# Altium PCB PCB22.PcbDoc (part 11 of 16)
Units mm, origin at the board's own origin, x right, y up, seen from the top; angles counter-clockwise.
Board outline 233.7 x 110.51 mm, 4 copper layers (Top Layer, Layer 1, Layer 2, Bottom Layer), stack 0.603 mm thick; 1249 components, 1355 nets, 4549 pads, 1315 vias.
Unrouted connection lines stored in the file: 1569.
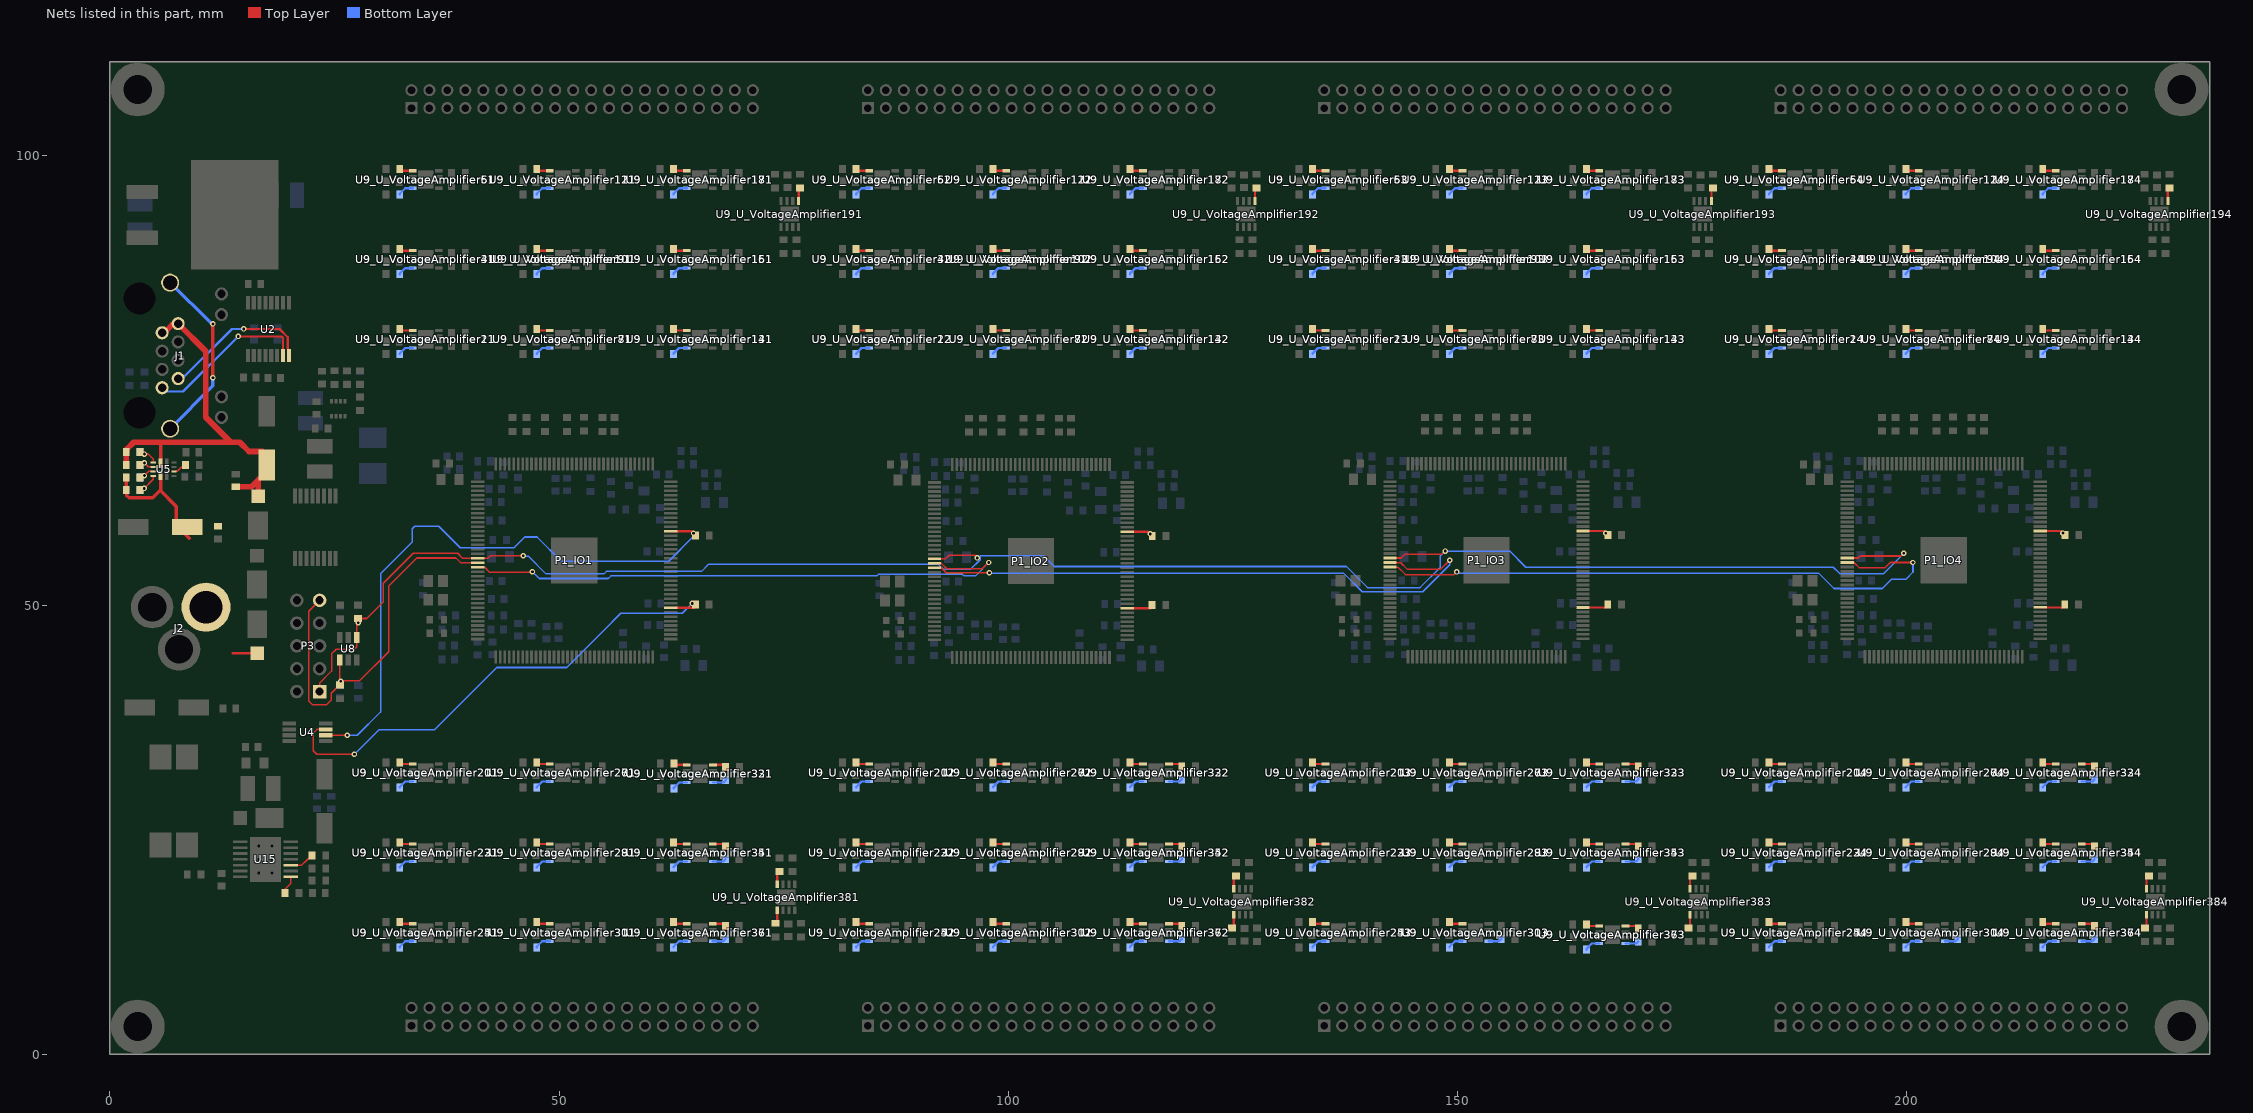
[diagram p13: the nets of this part, all layers, seen from the top]

## Via types
v1: diameter 0.61, hole 0.305, Top Layer to Bottom Layer, 1315 vias

## Nets (pads, with @x,y where several pads share a name; then routed paths per layer and width w, separated by ;. In a path a pad name is that pad's centre, name@x,y a point inside that pad or via, vN(x,y) a via of type N, cw(c..) or ccw(c..) an arc to the next point about the centre after c; other vN are vias at no path point) (continued)
NetR28_U_VoltageAmplifier313_2: R28_U_VoltageAmplifier313.2 U9_U_VoltageAmplifier313.4 | length 1.5
  Bottom Layer w0.254: U9_U_VoltageAmplifier313.4@153.448,12.588 154.622,12.588 R28_U_VoltageAmplifier313.2@154.866,12.832
NetR28_U_VoltageAmplifier314_2: R28_U_VoltageAmplifier314.2 U9_U_VoltageAmplifier314.4 | length 1.5
  Bottom Layer w0.254: U9_U_VoltageAmplifier314.4@204.248,12.588 205.422,12.588 R28_U_VoltageAmplifier314.2@205.666,12.832
NetR28_U_VoltageAmplifier321_2: R28_U_VoltageAmplifier321.2 U9_U_VoltageAmplifier321.4 | length 1.5
  Top Layer w0.254: U9_U_VoltageAmplifier321.4@67.118,32.227 68.282,32.227 68.536,31.973 R28_U_VoltageAmplifier321.2@68.536,31.968
NetR28_U_VoltageAmplifier322_2: R28_U_VoltageAmplifier322.2 U9_U_VoltageAmplifier322.4 | length 1.5
  Top Layer w0.254: U9_U_VoltageAmplifier322.4@117.888,32.318 119.052,32.318 119.306,32.064 R28_U_VoltageAmplifier322.2@119.306,32.059
NetR28_U_VoltageAmplifier323_2: R28_U_VoltageAmplifier323.2 U9_U_VoltageAmplifier323.4 | length 1.5
  Top Layer w0.254: U9_U_VoltageAmplifier323.4@168.688,32.318 169.852,32.318 170.106,32.064 R28_U_VoltageAmplifier323.2@170.106,32.059
NetR28_U_VoltageAmplifier324_2: R28_U_VoltageAmplifier324.2 U9_U_VoltageAmplifier324.4 | length 1.5
  Top Layer w0.254: U9_U_VoltageAmplifier324.4@219.488,32.318 220.652,32.318 220.906,32.064 R28_U_VoltageAmplifier324.2@220.906,32.059
NetR28_U_VoltageAmplifier331_2: R28_U_VoltageAmplifier331.2 U9_U_VoltageAmplifier331.4 | length 1.5
  Bottom Layer w0.254: U9_U_VoltageAmplifier331.4@67.118,30.277 68.292,30.277 R28_U_VoltageAmplifier331.2@68.536,30.52
NetR28_U_VoltageAmplifier332_2: R28_U_VoltageAmplifier332.2 U9_U_VoltageAmplifier332.4 | length 1.5
  Bottom Layer w0.254: U9_U_VoltageAmplifier332.4@117.888,30.368 119.062,30.368 R28_U_VoltageAmplifier332.2@119.306,30.612
NetR28_U_VoltageAmplifier333_2: R28_U_VoltageAmplifier333.2 U9_U_VoltageAmplifier333.4 | length 1.5
  Bottom Layer w0.254: U9_U_VoltageAmplifier333.4@168.688,30.368 169.862,30.368 R28_U_VoltageAmplifier333.2@170.106,30.612
NetR28_U_VoltageAmplifier334_2: R28_U_VoltageAmplifier334.2 U9_U_VoltageAmplifier334.4 | length 1.5
  Bottom Layer w0.254: U9_U_VoltageAmplifier334.4@219.488,30.368 220.662,30.368 R28_U_VoltageAmplifier334.2@220.906,30.612
NetR28_U_VoltageAmplifier341_2: R28_U_VoltageAmplifier341.2 U9_U_VoltageAmplifier341.4 | length 1.5
  Top Layer w0.254: U9_U_VoltageAmplifier341.4@67.088,23.428 68.252,23.428 68.506,23.174 R28_U_VoltageAmplifier341.2@68.506,23.169
NetR28_U_VoltageAmplifier342_2: R28_U_VoltageAmplifier342.2 U9_U_VoltageAmplifier342.4 | length 1.5
  Top Layer w0.254: U9_U_VoltageAmplifier342.4@117.888,23.428 119.052,23.428 119.306,23.174 R28_U_VoltageAmplifier342.2@119.306,23.169
NetR28_U_VoltageAmplifier343_2: R28_U_VoltageAmplifier343.2 U9_U_VoltageAmplifier343.4 | length 1.5
  Top Layer w0.254: U9_U_VoltageAmplifier343.4@168.688,23.428 169.852,23.428 170.106,23.174 R28_U_VoltageAmplifier343.2@170.106,23.169
NetR28_U_VoltageAmplifier344_2: R28_U_VoltageAmplifier344.2 U9_U_VoltageAmplifier344.4 | length 1.5
  Top Layer w0.254: U9_U_VoltageAmplifier344.4@219.488,23.428 220.652,23.428 220.906,23.174 R28_U_VoltageAmplifier344.2@220.906,23.169
NetR28_U_VoltageAmplifier351_2: R28_U_VoltageAmplifier351.2 U9_U_VoltageAmplifier351.4 | length 1.5
  Bottom Layer w0.254: U9_U_VoltageAmplifier351.4@67.088,21.478 68.262,21.478 R28_U_VoltageAmplifier351.2@68.506,21.722
NetR28_U_VoltageAmplifier352_2: R28_U_VoltageAmplifier352.2 U9_U_VoltageAmplifier352.4 | length 1.5
  Bottom Layer w0.254: U9_U_VoltageAmplifier352.4@117.888,21.478 119.062,21.478 R28_U_VoltageAmplifier352.2@119.306,21.722
NetR28_U_VoltageAmplifier353_2: R28_U_VoltageAmplifier353.2 U9_U_VoltageAmplifier353.4 | length 1.5
  Bottom Layer w0.254: U9_U_VoltageAmplifier353.4@168.688,21.478 169.862,21.478 R28_U_VoltageAmplifier353.2@170.106,21.722
NetR28_U_VoltageAmplifier354_2: R28_U_VoltageAmplifier354.2 U9_U_VoltageAmplifier354.4 | length 1.5
  Bottom Layer w0.254: U9_U_VoltageAmplifier354.4@219.488,21.478 220.662,21.478 R28_U_VoltageAmplifier354.2@220.906,21.722
NetR28_U_VoltageAmplifier361_2: R28_U_VoltageAmplifier361.2 U9_U_VoltageAmplifier361.4 | length 1.5
  Top Layer w0.254: U9_U_VoltageAmplifier361.4@67.088,14.538 68.252,14.538 68.506,14.284 R28_U_VoltageAmplifier361.2@68.506,14.279
NetR28_U_VoltageAmplifier362_2: R28_U_VoltageAmplifier362.2 U9_U_VoltageAmplifier362.4 | length 1.5
  Top Layer w0.254: U9_U_VoltageAmplifier362.4@117.888,14.538 119.052,14.538 119.306,14.284 R28_U_VoltageAmplifier362.2@119.306,14.279
NetR28_U_VoltageAmplifier363_2: R28_U_VoltageAmplifier363.2 U9_U_VoltageAmplifier363.4 | length 1.5
  Top Layer w0.254: U9_U_VoltageAmplifier363.4@168.688,14.284 169.852,14.284 170.106,14.03 R28_U_VoltageAmplifier363.2@170.106,14.025
NetR28_U_VoltageAmplifier364_2: R28_U_VoltageAmplifier364.2 U9_U_VoltageAmplifier364.4 | length 1.5
  Top Layer w0.254: U9_U_VoltageAmplifier364.4@219.488,14.538 220.652,14.538 220.906,14.284 R28_U_VoltageAmplifier364.2@220.906,14.279
NetR28_U_VoltageAmplifier371_2: R28_U_VoltageAmplifier371.2 U9_U_VoltageAmplifier371.4 | length 1.5
  Bottom Layer w0.254: U9_U_VoltageAmplifier371.4@67.088,12.588 68.262,12.588 R28_U_VoltageAmplifier371.2@68.506,12.832
NetR28_U_VoltageAmplifier372_2: R28_U_VoltageAmplifier372.2 U9_U_VoltageAmplifier372.4 | length 1.5
  Bottom Layer w0.254: U9_U_VoltageAmplifier372.4@117.888,12.588 119.062,12.588 R28_U_VoltageAmplifier372.2@119.306,12.832
NetR28_U_VoltageAmplifier373_2: R28_U_VoltageAmplifier373.2 U9_U_VoltageAmplifier373.4 | length 1.5
  Bottom Layer w0.254: U9_U_VoltageAmplifier373.4@168.688,12.334 169.862,12.334 R28_U_VoltageAmplifier373.2@170.106,12.578
NetR28_U_VoltageAmplifier374_2: R28_U_VoltageAmplifier374.2 U9_U_VoltageAmplifier374.4 | length 1.5
  Bottom Layer w0.254: U9_U_VoltageAmplifier374.4@219.488,12.588 220.662,12.588 R28_U_VoltageAmplifier374.2@220.906,12.832
NetR28_U_VoltageAmplifier381_2: R28_U_VoltageAmplifier381.2 U9_U_VoltageAmplifier381.4 | length 1.5
  Top Layer w0.254: U9_U_VoltageAmplifier381.4@74.282,18.938 74.282,20.102 74.536,20.356 R28_U_VoltageAmplifier381.2@74.541,20.356
NetR28_U_VoltageAmplifier382_2: R28_U_VoltageAmplifier382.2 U9_U_VoltageAmplifier382.4 | length 1.5
  Top Layer w0.254: U9_U_VoltageAmplifier382.4@125.082,18.43 125.082,19.594 125.336,19.848 R28_U_VoltageAmplifier382.2@125.341,19.848
NetR28_U_VoltageAmplifier383_2: R28_U_VoltageAmplifier383.2 U9_U_VoltageAmplifier383.4 | length 1.5
  Top Layer w0.254: U9_U_VoltageAmplifier383.4@175.882,18.43 175.882,19.594 176.136,19.848 R28_U_VoltageAmplifier383.2@176.141,19.848
NetR28_U_VoltageAmplifier384_2: R28_U_VoltageAmplifier384.2 U9_U_VoltageAmplifier384.4 | length 1.5
  Top Layer w0.254: U9_U_VoltageAmplifier384.4@226.682,18.43 226.682,19.594 226.936,19.848 R28_U_VoltageAmplifier384.2@226.941,19.848
NetR29_U_VoltageAmplifier11_1: R29_U_VoltageAmplifier11.1 U9_U_VoltageAmplifier11.5 | length 1.5
  Top Layer w0.254: R29_U_VoltageAmplifier11.1@32.26,80.751 32.433,80.578 U9_U_VoltageAmplifier11.5@33.708,80.578
NetR29_U_VoltageAmplifier12_1: R29_U_VoltageAmplifier12.1 U9_U_VoltageAmplifier12.5 | length 1.5
  Top Layer w0.254: R29_U_VoltageAmplifier12.1@83.06,80.751 83.233,80.578 U9_U_VoltageAmplifier12.5@84.508,80.578
NetR29_U_VoltageAmplifier13_1: R29_U_VoltageAmplifier13.1 U9_U_VoltageAmplifier13.5 | length 1.5
  Top Layer w0.254: R29_U_VoltageAmplifier13.1@133.86,80.751 134.033,80.578 U9_U_VoltageAmplifier13.5@135.308,80.578
NetR29_U_VoltageAmplifier14_1: R29_U_VoltageAmplifier14.1 U9_U_VoltageAmplifier14.5 | length 1.5
  Top Layer w0.254: R29_U_VoltageAmplifier14.1@184.66,80.751 184.833,80.578 U9_U_VoltageAmplifier14.5@186.108,80.578
NetR29_U_VoltageAmplifier21_1: R29_U_VoltageAmplifier21.1 U9_U_VoltageAmplifier21.5 | length 1.8
  Bottom Layer w0.254: R29_U_VoltageAmplifier21.1@32.26,77.957 32.26,78.021 32.868,78.628 U9_U_VoltageAmplifier21.5@33.708,78.628
NetR29_U_VoltageAmplifier22_1: R29_U_VoltageAmplifier22.1 U9_U_VoltageAmplifier22.5 | length 1.8
  Bottom Layer w0.254: R29_U_VoltageAmplifier22.1@83.06,77.957 83.06,78.021 83.668,78.628 U9_U_VoltageAmplifier22.5@84.508,78.628
NetR29_U_VoltageAmplifier23_1: R29_U_VoltageAmplifier23.1 U9_U_VoltageAmplifier23.5 | length 1.8
  Bottom Layer w0.254: R29_U_VoltageAmplifier23.1@133.86,77.957 133.86,78.021 134.468,78.628 U9_U_VoltageAmplifier23.5@135.308,78.628
NetR29_U_VoltageAmplifier24_1: R29_U_VoltageAmplifier24.1 U9_U_VoltageAmplifier24.5 | length 1.8
  Bottom Layer w0.254: R29_U_VoltageAmplifier24.1@184.66,77.957 184.66,78.021 185.268,78.628 U9_U_VoltageAmplifier24.5@186.108,78.628
NetR29_U_VoltageAmplifier31_1: R29_U_VoltageAmplifier31.1 U9_U_VoltageAmplifier31.5 | length 1.5
  Top Layer w0.254: R29_U_VoltageAmplifier31.1@32.26,89.641 32.433,89.468 U9_U_VoltageAmplifier31.5@33.708,89.468
NetR29_U_VoltageAmplifier32_1: R29_U_VoltageAmplifier32.1 U9_U_VoltageAmplifier32.5 | length 1.5
  Top Layer w0.254: R29_U_VoltageAmplifier32.1@83.06,89.641 83.233,89.468 U9_U_VoltageAmplifier32.5@84.508,89.468
NetR29_U_VoltageAmplifier33_1: R29_U_VoltageAmplifier33.1 U9_U_VoltageAmplifier33.5 | length 1.5
  Top Layer w0.254: R29_U_VoltageAmplifier33.1@133.86,89.641 134.033,89.468 U9_U_VoltageAmplifier33.5@135.308,89.468
NetR29_U_VoltageAmplifier34_1: R29_U_VoltageAmplifier34.1 U9_U_VoltageAmplifier34.5 | length 1.5
  Top Layer w0.254: R29_U_VoltageAmplifier34.1@184.66,89.641 184.833,89.468 U9_U_VoltageAmplifier34.5@186.108,89.468
NetR29_U_VoltageAmplifier41_1: R29_U_VoltageAmplifier41.1 U9_U_VoltageAmplifier41.5 | length 1.8
  Bottom Layer w0.254: R29_U_VoltageAmplifier41.1@32.26,86.847 32.26,86.911 32.868,87.518 U9_U_VoltageAmplifier41.5@33.708,87.518
NetR29_U_VoltageAmplifier42_1: R29_U_VoltageAmplifier42.1 U9_U_VoltageAmplifier42.5 | length 1.8
  Bottom Layer w0.254: R29_U_VoltageAmplifier42.1@83.06,86.847 83.06,86.911 83.668,87.518 U9_U_VoltageAmplifier42.5@84.508,87.518
NetR29_U_VoltageAmplifier43_1: R29_U_VoltageAmplifier43.1 U9_U_VoltageAmplifier43.5 | length 1.8
  Bottom Layer w0.254: R29_U_VoltageAmplifier43.1@133.86,86.847 133.86,86.911 134.468,87.518 U9_U_VoltageAmplifier43.5@135.308,87.518
NetR29_U_VoltageAmplifier44_1: R29_U_VoltageAmplifier44.1 U9_U_VoltageAmplifier44.5 | length 1.8
  Bottom Layer w0.254: R29_U_VoltageAmplifier44.1@184.66,86.847 184.66,86.911 185.268,87.518 U9_U_VoltageAmplifier44.5@186.108,87.518
NetR29_U_VoltageAmplifier51_1: R29_U_VoltageAmplifier51.1 U9_U_VoltageAmplifier51.5 | length 1.5
  Top Layer w0.254: R29_U_VoltageAmplifier51.1@32.26,98.531 32.433,98.358 U9_U_VoltageAmplifier51.5@33.708,98.358
NetR29_U_VoltageAmplifier52_1: R29_U_VoltageAmplifier52.1 U9_U_VoltageAmplifier52.5 | length 1.5
  Top Layer w0.254: R29_U_VoltageAmplifier52.1@83.06,98.531 83.233,98.358 U9_U_VoltageAmplifier52.5@84.508,98.358
NetR29_U_VoltageAmplifier53_1: R29_U_VoltageAmplifier53.1 U9_U_VoltageAmplifier53.5 | length 1.5
  Top Layer w0.254: R29_U_VoltageAmplifier53.1@133.86,98.531 134.033,98.358 U9_U_VoltageAmplifier53.5@135.308,98.358
NetR29_U_VoltageAmplifier54_1: R29_U_VoltageAmplifier54.1 U9_U_VoltageAmplifier54.5 | length 1.5
  Top Layer w0.254: R29_U_VoltageAmplifier54.1@184.66,98.531 184.833,98.358 U9_U_VoltageAmplifier54.5@186.108,98.358
NetR29_U_VoltageAmplifier61_1: R29_U_VoltageAmplifier61.1 U9_U_VoltageAmplifier61.5 | length 1.8
  Bottom Layer w0.254: R29_U_VoltageAmplifier61.1@32.26,95.737 32.26,95.801 32.868,96.408 U9_U_VoltageAmplifier61.5@33.708,96.408
NetR29_U_VoltageAmplifier62_1: R29_U_VoltageAmplifier62.1 U9_U_VoltageAmplifier62.5 | length 1.8
  Bottom Layer w0.254: R29_U_VoltageAmplifier62.1@83.06,95.737 83.06,95.801 83.668,96.408 U9_U_VoltageAmplifier62.5@84.508,96.408
NetR29_U_VoltageAmplifier63_1: R29_U_VoltageAmplifier63.1 U9_U_VoltageAmplifier63.5 | length 1.8
  Bottom Layer w0.254: R29_U_VoltageAmplifier63.1@133.86,95.737 133.86,95.801 134.468,96.408 U9_U_VoltageAmplifier63.5@135.308,96.408
NetR29_U_VoltageAmplifier64_1: R29_U_VoltageAmplifier64.1 U9_U_VoltageAmplifier64.5 | length 1.8
  Bottom Layer w0.254: R29_U_VoltageAmplifier64.1@184.66,95.737 184.66,95.801 185.268,96.408 U9_U_VoltageAmplifier64.5@186.108,96.408
NetR29_U_VoltageAmplifier71_1: R29_U_VoltageAmplifier71.1 U9_U_VoltageAmplifier71.5 | length 1.5
  Top Layer w0.254: R29_U_VoltageAmplifier71.1@47.5,80.751 47.673,80.578 U9_U_VoltageAmplifier71.5@48.948,80.578
NetR29_U_VoltageAmplifier72_1: R29_U_VoltageAmplifier72.1 U9_U_VoltageAmplifier72.5 | length 1.5
  Top Layer w0.254: R29_U_VoltageAmplifier72.1@98.3,80.751 98.473,80.578 U9_U_VoltageAmplifier72.5@99.748,80.578
NetR29_U_VoltageAmplifier73_1: R29_U_VoltageAmplifier73.1 U9_U_VoltageAmplifier73.5 | length 1.5
  Top Layer w0.254: R29_U_VoltageAmplifier73.1@149.1,80.751 149.273,80.578 U9_U_VoltageAmplifier73.5@150.548,80.578
NetR29_U_VoltageAmplifier74_1: R29_U_VoltageAmplifier74.1 U9_U_VoltageAmplifier74.5 | length 1.5
  Top Layer w0.254: R29_U_VoltageAmplifier74.1@199.9,80.751 200.073,80.578 U9_U_VoltageAmplifier74.5@201.348,80.578
NetR29_U_VoltageAmplifier81_1: R29_U_VoltageAmplifier81.1 U9_U_VoltageAmplifier81.5 | length 1.8
  Bottom Layer w0.254: R29_U_VoltageAmplifier81.1@47.5,77.957 47.5,78.021 48.108,78.628 U9_U_VoltageAmplifier81.5@48.948,78.628
NetR29_U_VoltageAmplifier82_1: R29_U_VoltageAmplifier82.1 U9_U_VoltageAmplifier82.5 | length 1.8
  Bottom Layer w0.254: R29_U_VoltageAmplifier82.1@98.3,77.957 98.3,78.021 98.908,78.628 U9_U_VoltageAmplifier82.5@99.748,78.628
NetR29_U_VoltageAmplifier83_1: R29_U_VoltageAmplifier83.1 U9_U_VoltageAmplifier83.5 | length 1.8
  Bottom Layer w0.254: R29_U_VoltageAmplifier83.1@149.1,77.957 149.1,78.021 149.708,78.628 U9_U_VoltageAmplifier83.5@150.548,78.628
NetR29_U_VoltageAmplifier84_1: R29_U_VoltageAmplifier84.1 U9_U_VoltageAmplifier84.5 | length 1.8
  Bottom Layer w0.254: R29_U_VoltageAmplifier84.1@199.9,77.957 199.9,78.021 200.508,78.628 U9_U_VoltageAmplifier84.5@201.348,78.628
NetR29_U_VoltageAmplifier91_1: R29_U_VoltageAmplifier91.1 U9_U_VoltageAmplifier91.5 | length 1.5
  Top Layer w0.254: R29_U_VoltageAmplifier91.1@47.5,89.641 47.673,89.468 U9_U_VoltageAmplifier91.5@48.948,89.468
NetR29_U_VoltageAmplifier92_1: R29_U_VoltageAmplifier92.1 U9_U_VoltageAmplifier92.5 | length 1.5
  Top Layer w0.254: R29_U_VoltageAmplifier92.1@98.3,89.641 98.473,89.468 U9_U_VoltageAmplifier92.5@99.748,89.468
NetR29_U_VoltageAmplifier93_1: R29_U_VoltageAmplifier93.1 U9_U_VoltageAmplifier93.5 | length 1.5
  Top Layer w0.254: R29_U_VoltageAmplifier93.1@149.1,89.641 149.273,89.468 U9_U_VoltageAmplifier93.5@150.548,89.468
NetR29_U_VoltageAmplifier94_1: R29_U_VoltageAmplifier94.1 U9_U_VoltageAmplifier94.5 | length 1.5
  Top Layer w0.254: R29_U_VoltageAmplifier94.1@199.9,89.641 200.073,89.468 U9_U_VoltageAmplifier94.5@201.348,89.468
NetR29_U_VoltageAmplifier101_1: R29_U_VoltageAmplifier101.1 U9_U_VoltageAmplifier101.5 | length 1.8
  Bottom Layer w0.254: R29_U_VoltageAmplifier101.1@47.5,86.847 47.5,86.911 48.108,87.518 U9_U_VoltageAmplifier101.5@48.948,87.518
NetR29_U_VoltageAmplifier102_1: R29_U_VoltageAmplifier102.1 U9_U_VoltageAmplifier102.5 | length 1.8
  Bottom Layer w0.254: R29_U_VoltageAmplifier102.1@98.3,86.847 98.3,86.911 98.908,87.518 U9_U_VoltageAmplifier102.5@99.748,87.518
NetR29_U_VoltageAmplifier103_1: R29_U_VoltageAmplifier103.1 U9_U_VoltageAmplifier103.5 | length 1.8
  Bottom Layer w0.254: R29_U_VoltageAmplifier103.1@149.1,86.847 149.1,86.911 149.708,87.518 U9_U_VoltageAmplifier103.5@150.548,87.518
NetR29_U_VoltageAmplifier104_1: R29_U_VoltageAmplifier104.1 U9_U_VoltageAmplifier104.5 | length 1.8
  Bottom Layer w0.254: R29_U_VoltageAmplifier104.1@199.9,86.847 199.9,86.911 200.508,87.518 U9_U_VoltageAmplifier104.5@201.348,87.518
NetR29_U_VoltageAmplifier111_1: R29_U_VoltageAmplifier111.1 U9_U_VoltageAmplifier111.5 | length 1.5
  Top Layer w0.254: R29_U_VoltageAmplifier111.1@47.5,98.531 47.673,98.358 U9_U_VoltageAmplifier111.5@48.948,98.358
NetR29_U_VoltageAmplifier112_1: R29_U_VoltageAmplifier112.1 U9_U_VoltageAmplifier112.5 | length 1.5
  Top Layer w0.254: R29_U_VoltageAmplifier112.1@98.3,98.531 98.473,98.358 U9_U_VoltageAmplifier112.5@99.748,98.358
NetR29_U_VoltageAmplifier113_1: R29_U_VoltageAmplifier113.1 U9_U_VoltageAmplifier113.5 | length 1.5
  Top Layer w0.254: R29_U_VoltageAmplifier113.1@149.1,98.531 149.273,98.358 U9_U_VoltageAmplifier113.5@150.548,98.358
NetR29_U_VoltageAmplifier114_1: R29_U_VoltageAmplifier114.1 U9_U_VoltageAmplifier114.5 | length 1.5
  Top Layer w0.254: R29_U_VoltageAmplifier114.1@199.9,98.531 200.073,98.358 U9_U_VoltageAmplifier114.5@201.348,98.358
NetR29_U_VoltageAmplifier121_1: R29_U_VoltageAmplifier121.1 U9_U_VoltageAmplifier121.5 | length 1.8
  Bottom Layer w0.254: R29_U_VoltageAmplifier121.1@47.5,95.737 47.5,95.801 48.108,96.408 U9_U_VoltageAmplifier121.5@48.948,96.408
NetR29_U_VoltageAmplifier122_1: R29_U_VoltageAmplifier122.1 U9_U_VoltageAmplifier122.5 | length 1.8
  Bottom Layer w0.254: R29_U_VoltageAmplifier122.1@98.3,95.737 98.3,95.801 98.908,96.408 U9_U_VoltageAmplifier122.5@99.748,96.408
NetR29_U_VoltageAmplifier123_1: R29_U_VoltageAmplifier123.1 U9_U_VoltageAmplifier123.5 | length 1.8
  Bottom Layer w0.254: R29_U_VoltageAmplifier123.1@149.1,95.737 149.1,95.801 149.708,96.408 U9_U_VoltageAmplifier123.5@150.548,96.408
NetR29_U_VoltageAmplifier124_1: R29_U_VoltageAmplifier124.1 U9_U_VoltageAmplifier124.5 | length 1.8
  Bottom Layer w0.254: R29_U_VoltageAmplifier124.1@199.9,95.737 199.9,95.801 200.508,96.408 U9_U_VoltageAmplifier124.5@201.348,96.408
NetR29_U_VoltageAmplifier131_1: R29_U_VoltageAmplifier131.1 U9_U_VoltageAmplifier131.5 | length 1.5
  Top Layer w0.254: R29_U_VoltageAmplifier131.1@62.74,80.751 62.913,80.578 U9_U_VoltageAmplifier131.5@64.188,80.578
NetR29_U_VoltageAmplifier132_1: R29_U_VoltageAmplifier132.1 U9_U_VoltageAmplifier132.5 | length 1.5
  Top Layer w0.254: R29_U_VoltageAmplifier132.1@113.54,80.751 113.713,80.578 U9_U_VoltageAmplifier132.5@114.988,80.578
NetR29_U_VoltageAmplifier133_1: R29_U_VoltageAmplifier133.1 U9_U_VoltageAmplifier133.5 | length 1.5
  Top Layer w0.254: R29_U_VoltageAmplifier133.1@164.34,80.751 164.513,80.578 U9_U_VoltageAmplifier133.5@165.788,80.578
NetR29_U_VoltageAmplifier134_1: R29_U_VoltageAmplifier134.1 U9_U_VoltageAmplifier134.5 | length 1.5
  Top Layer w0.254: R29_U_VoltageAmplifier134.1@215.14,80.751 215.313,80.578 U9_U_VoltageAmplifier134.5@216.588,80.578
NetR29_U_VoltageAmplifier141_1: R29_U_VoltageAmplifier141.1 U9_U_VoltageAmplifier141.5 | length 1.8
  Bottom Layer w0.254: R29_U_VoltageAmplifier141.1@62.74,77.957 62.74,78.021 63.348,78.628 U9_U_VoltageAmplifier141.5@64.188,78.628
NetR29_U_VoltageAmplifier142_1: R29_U_VoltageAmplifier142.1 U9_U_VoltageAmplifier142.5 | length 1.8
  Bottom Layer w0.254: R29_U_VoltageAmplifier142.1@113.54,77.957 113.54,78.021 114.148,78.628 U9_U_VoltageAmplifier142.5@114.988,78.628
NetR29_U_VoltageAmplifier143_1: R29_U_VoltageAmplifier143.1 U9_U_VoltageAmplifier143.5 | length 1.8
  Bottom Layer w0.254: R29_U_VoltageAmplifier143.1@164.34,77.957 164.34,78.021 164.948,78.628 U9_U_VoltageAmplifier143.5@165.788,78.628
NetR29_U_VoltageAmplifier144_1: R29_U_VoltageAmplifier144.1 U9_U_VoltageAmplifier144.5 | length 1.8
  Bottom Layer w0.254: R29_U_VoltageAmplifier144.1@215.14,77.957 215.14,78.021 215.748,78.628 U9_U_VoltageAmplifier144.5@216.588,78.628
NetR29_U_VoltageAmplifier151_1: R29_U_VoltageAmplifier151.1 U9_U_VoltageAmplifier151.5 | length 1.5
  Top Layer w0.254: R29_U_VoltageAmplifier151.1@62.74,89.641 62.913,89.468 U9_U_VoltageAmplifier151.5@64.188,89.468
NetR29_U_VoltageAmplifier152_1: R29_U_VoltageAmplifier152.1 U9_U_VoltageAmplifier152.5 | length 1.5
  Top Layer w0.254: R29_U_VoltageAmplifier152.1@113.54,89.641 113.713,89.468 U9_U_VoltageAmplifier152.5@114.988,89.468
NetR29_U_VoltageAmplifier153_1: R29_U_VoltageAmplifier153.1 U9_U_VoltageAmplifier153.5 | length 1.5
  Top Layer w0.254: R29_U_VoltageAmplifier153.1@164.34,89.641 164.513,89.468 U9_U_VoltageAmplifier153.5@165.788,89.468
NetR29_U_VoltageAmplifier154_1: R29_U_VoltageAmplifier154.1 U9_U_VoltageAmplifier154.5 | length 1.5
  Top Layer w0.254: R29_U_VoltageAmplifier154.1@215.14,89.641 215.313,89.468 U9_U_VoltageAmplifier154.5@216.588,89.468
NetR29_U_VoltageAmplifier161_1: R29_U_VoltageAmplifier161.1 U9_U_VoltageAmplifier161.5 | length 1.8
  Bottom Layer w0.254: R29_U_VoltageAmplifier161.1@62.74,86.847 62.74,86.911 63.348,87.518 U9_U_VoltageAmplifier161.5@64.188,87.518
NetR29_U_VoltageAmplifier162_1: R29_U_VoltageAmplifier162.1 U9_U_VoltageAmplifier162.5 | length 1.8
  Bottom Layer w0.254: R29_U_VoltageAmplifier162.1@113.54,86.847 113.54,86.911 114.148,87.518 U9_U_VoltageAmplifier162.5@114.988,87.518
NetR29_U_VoltageAmplifier163_1: R29_U_VoltageAmplifier163.1 U9_U_VoltageAmplifier163.5 | length 1.8
  Bottom Layer w0.254: R29_U_VoltageAmplifier163.1@164.34,86.847 164.34,86.911 164.948,87.518 U9_U_VoltageAmplifier163.5@165.788,87.518
NetR29_U_VoltageAmplifier164_1: R29_U_VoltageAmplifier164.1 U9_U_VoltageAmplifier164.5 | length 1.8
  Bottom Layer w0.254: R29_U_VoltageAmplifier164.1@215.14,86.847 215.14,86.911 215.748,87.518 U9_U_VoltageAmplifier164.5@216.588,87.518